# Altium PCB Universal_PCB.PcbDoc (part 2 of 3)
Units mm, origin at the board's own origin, x right, y up, seen from the top; angles counter-clockwise.
Board outline 200 x 105 mm, 2 copper layers (Top Layer, Bottom Layer), stack 1.57 mm thick; 323 components, 231 nets, 891 pads, 95 vias.
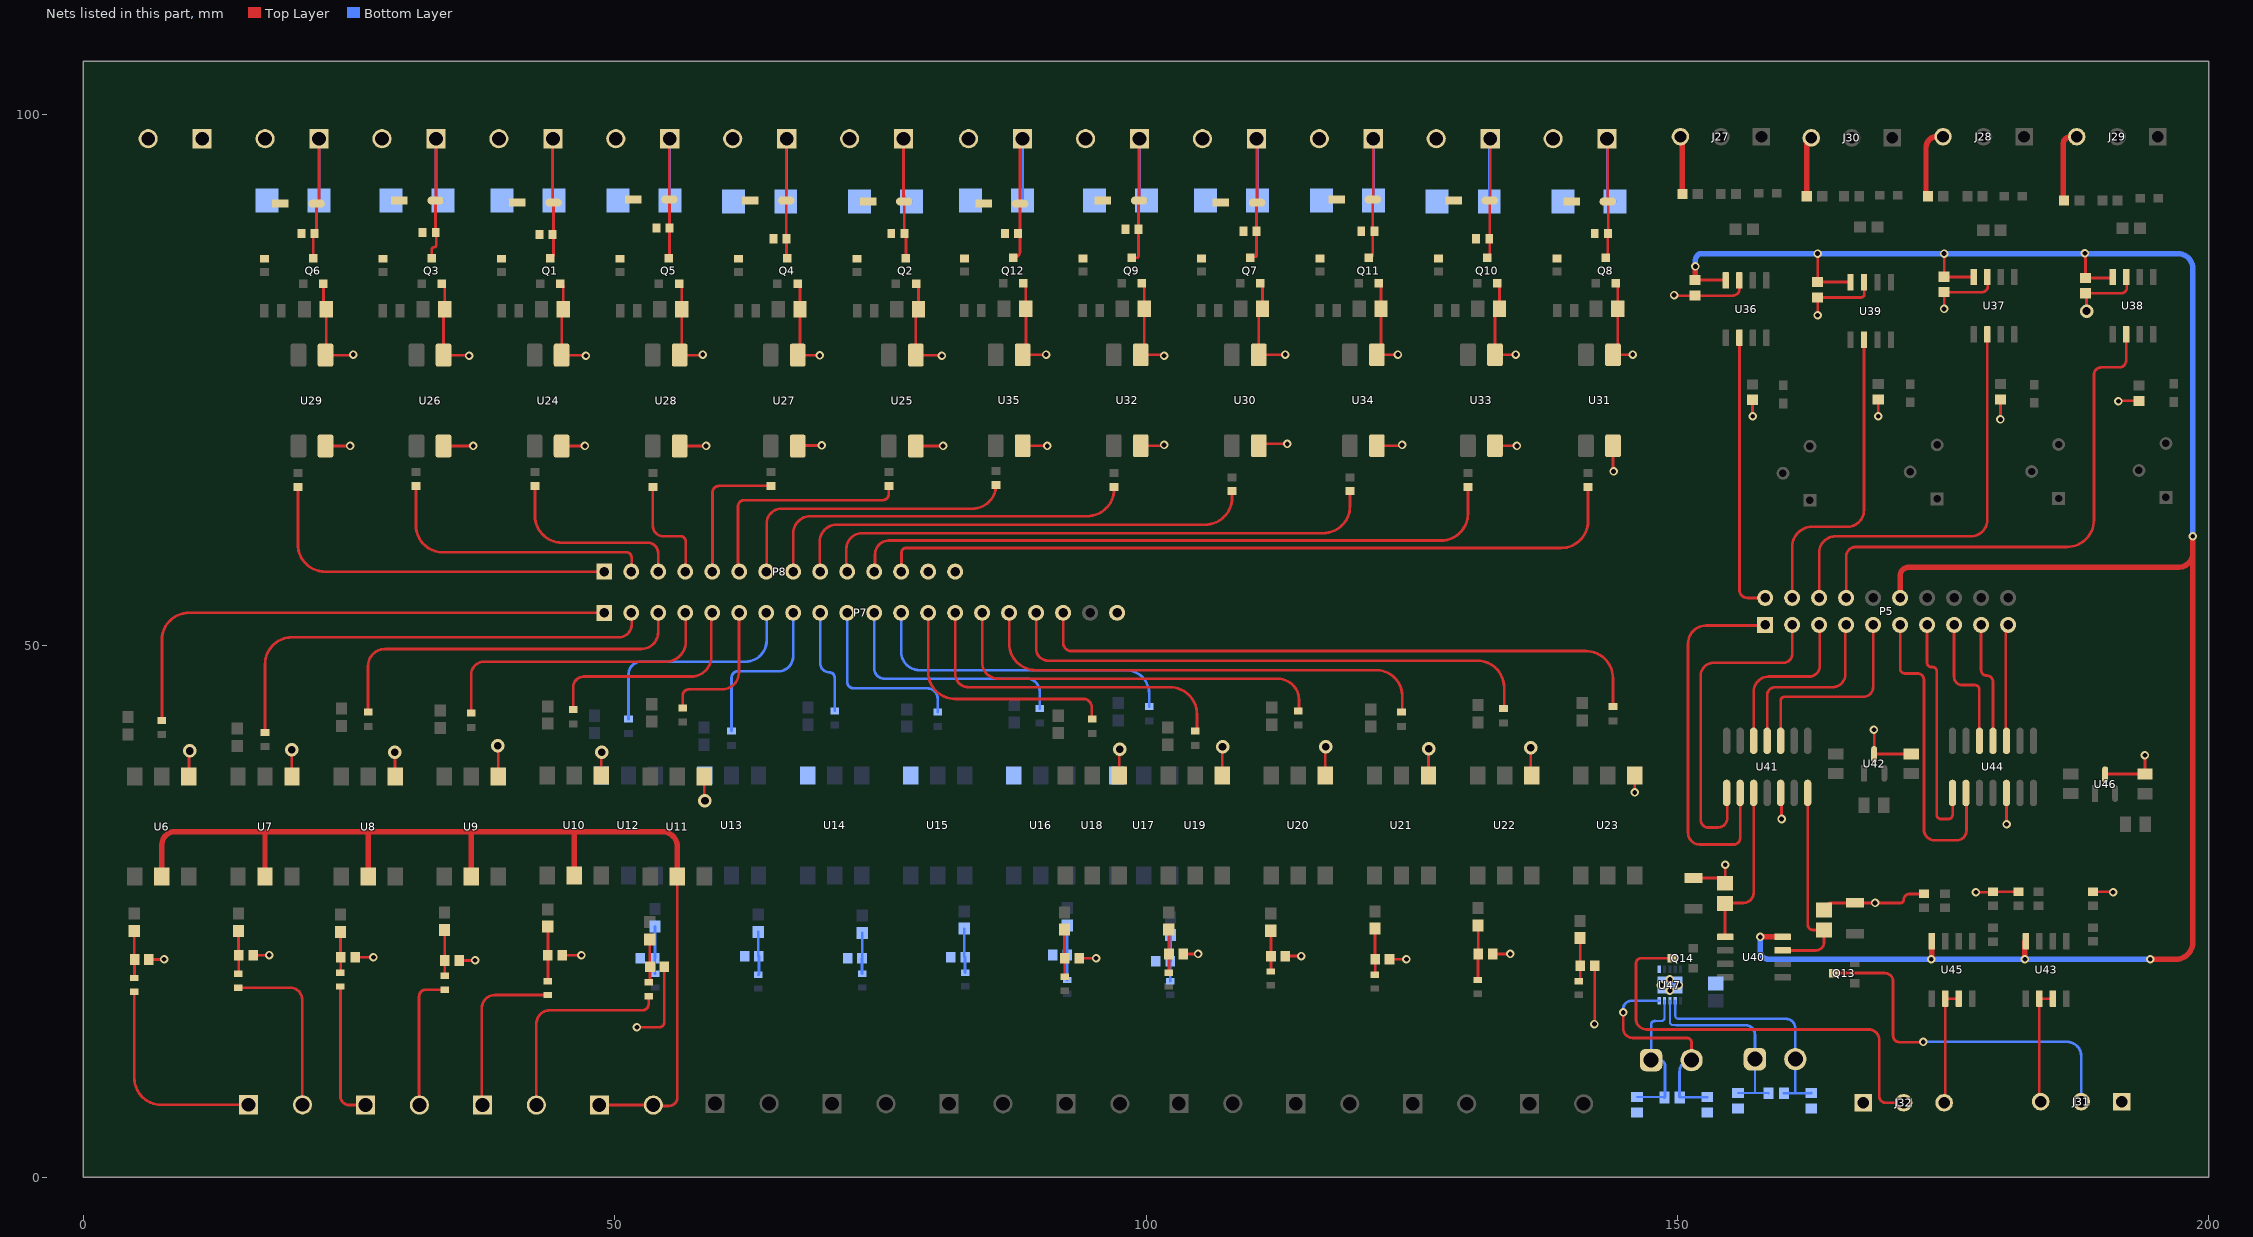
[diagram p2: the nets of this part, all layers, seen from the top]

## Via types
v1: diameter 0.8, hole 0.45, Top Layer to Bottom Layer, 83 vias
v2: diameter 1.27, hole 0.711, Top Layer to Bottom Layer, 12 vias

## Nets (pads, with @x,y where several pads share a name; then routed paths per layer and width w, separated by ;. In a path a pad name is that pad's centre, name@x,y a point inside that pad or via, vN(x,y) a via of type N, cw(c..) or ccw(c..) an arc to the next point about the centre after c; other vN are vias at no path point) (continued)
+24VDC: D9.1 D10.1 D13.1 D14.1 D17.1 D18.1 D21.1 D22.1 D25.1 D26.1 D29.1 D30.1 J14.2 J15.2 J16.2 J17.2 J18.2 J19.2 J20.2 J21.2 J22.2 J23.2 J24.2 J25.2 J26.2 P8.13 R91.2 R92.2 R93.2 R94.2 R101.2 R102.2 R103.2 R104.2 R111.2 R112.2 R113.2 R114.2 R121.2 R122.2 R123.2 R124.2 R131.2 R132.2 R133.2 R134.2 R141.2 R142.2 R143.2 R144.2
-5: C55.2 C56.2 C59.2 C60.2 P5.12 U36.4 U37.4 U38.4 U39.4 U40.4 U43.4 U45.4 | length 211.6
  Top Layer w0.254: C55.2@151.675,84.423 U36.4@154.57,84.423 ; v1(163.2,86.9) C60.2@163.2,84.225 U39.4@166.295,84.225 ; v1(175.1,86.9) C56.2@175.1,84.725 ccw(c175.125,84.725) 175.125,84.7 U37.4@177.895,84.7 ; v1(188.345,86.944) cw(c188.345,86.889) 188.4,86.889 C59.2@188.4,84.625 188.4,84.601 U38.4@190.958,84.601
  Top Layer w0.508: C55.2@151.675,84.4 ccw(c151.675,84.425) 151.7,84.423 ccw(c151.675,84.425) 151.7,84.425 v1(151.7,85.7) ; v1(157.8,22.6) 157.8,22.605 U40.4@159.9,22.605 ; P5.12@170.96,54.5 170.96,56.56 cw(c171.8,56.56) 171.8,57.4 197.2,57.4 ccw(c197.2,58.7) 198.5,58.7 ; v1(173.9,20.5) ccw(c173.9,20.54) 173.94,20.54 U45.4@173.94,22.2 ; v1(182.7,20.5) 182.7,22.105 cw(c182.795,22.105) U43.4@182.795,22.2 ; v1(194.5,20.5) 196.9,20.5 ccw(c196.9,22.1) 198.5,22.1 198.5,58.7 ; v1(198.5,60.3) 198.5,58.7
  Bottom Layer w0.508: v1(151.7,85.7) 151.7,86.3 cw(c152.3,86.3) 152.3,86.9 v1(163.2,86.9) v1(175.1,86.9) 197.1,86.9 cw(c197.1,85.5) 198.5,85.5 v1(198.5,60.3) ; v1(157.8,22.6) 157.8,21.3 ccw(c158.6,21.3) 158.6,20.5 v1(182.7,20.5) v1(194.5,20.5)
A_IOUT_CS: P5.9 U41.3 | length 19.1
  Top Layer w0.254: U41.3@159.72,41.05 159.72,44.82 cw(c160.1,44.82) 160.1,45.2 162.12,45.2 cw(c162.3,44.2) 162.48,45.2 167.5,45.2 ccw(c167.5,46.12) 168.42,46.12 P5.9@168.42,51.96
A_IOUT_LDAC: P5.3 U41.8 | length 31.9
  Top Layer w0.254: U41.8@154.64,36.15 cw(c154.64,36.09) 154.7,36.09 154.7,33.8 cw(c153.8,33.8) 153.8,32.9 152.9,32.9 cw(c152.9,33.6) 152.2,33.6 152.2,47.2 cw(c153.4,47.2) 153.4,48.4 160,48.4 ccw(c160,49.2) 160.8,49.2 P5.3@160.8,51.96
A_IOUT_MOSI: P5.5 U41.5 | length 16.1
  Top Layer w0.254: U41.5@157.18,41.05 157.18,45.68 cw(c158.6,45.68) 158.6,47.1 162.4,47.1 ccw(c162.4,48.1) 163.4,48.1 163.4,51.9 ccw(c163.34,51.9) P5.5@163.34,51.96
A_IOUT_SCLK: P5.7 U41.4 | length 17.5
  Top Layer w0.254: U41.4@158.45,41.05 158.45,45.35 cw(c159.2,45.35) 159.2,46.1 164.6,46.1 ccw(c164.6,47.3) 165.8,47.3 165.8,51.88 cw(c165.88,51.88) P5.7@165.88,51.96
A_IOUT_SHDN: P5.1 U41.9 | length 36.2
  Top Layer w0.254: U41.9@155.91,36.15 155.91,31.91 cw(c155.3,31.91) 155.3,31.3 152.1,31.3 cw(c152.1,32.4) 151,32.4 151,50.2 cw(c152.7,50.2) 152.7,51.9 158.2,51.9 ccw(c158.2,51.96) P5.1@158.26,51.96
A_VOUT_CS: P5.19 U44.3 | length 11.1
  Top Layer w0.254: U44.3@180.97,41.05 cw(c180.97,41.12) 180.9,41.12 180.9,51.74 cw(c181.12,51.74) P5.19@181.12,51.96
A_VOUT_LDAC: P5.13 U44.8 | length 22.4
  Top Layer w0.254: P5.13@173.5,51.96 173.5,48.4 ccw(c173.9,48.4) 173.9,48 174,48 cw(c174,47.6) 174.4,47.6 174.4,34.1 ccw(c174.8,34.1) 174.8,33.7 175.5,33.7 ccw(c175.5,34.1) 175.9,34.1 175.9,36.15 U44.8@175.89,36.15
A_VOUT_MOSI: P5.15 U44.5 | length 12.8
  Top Layer w0.254: P5.15@176.04,51.96 176.04,47.06 ccw(c176.8,47.06) 176.8,46.3 178,46.3 cw(c178,45.9) 178.4,45.9 178.4,41.08 ccw(c178.43,41.08) U44.5@178.43,41.05
A_VOUT_SCLK: P5.17 U44.4 | length 11.5
  Top Layer w0.254: P5.17@178.58,51.96 178.58,47.72 ccw(c179.1,47.72) 179.1,47.2 cw(c179.1,46.6) 179.7,46.6 U44.4@179.7,41.05
A_VOUT_SHDN: P5.11 U44.9 | length 29.7
  Top Layer w0.254: P5.11@170.96,51.96 170.96,47.84 ccw(c171.4,47.84) 171.4,47.4 172.6,47.4 cw(c172.6,46.8) 173.2,46.8 173.2,32.7 ccw(c174.2,32.7) 174.2,31.7 176.3,31.7 ccw(c176.3,32.6) 177.2,32.6 177.2,36.11 ccw(c177.16,36.11) U44.9@177.16,36.15
ANALOG_INPUT1: P5.2 U36.6 | length 26.6
  Top Layer w0.254: U36.6@155.84,78.975 155.84,55.26 ccw(c156.6,55.26) 156.6,54.5 P5.2@158.26,54.5
ANALOG_INPUT2: P5.4 U39.6 | length 29.6
  Top Layer w0.254: P5.4@160.8,54.5 160.8,59.3 cw(c162.7,59.3) 162.7,61.2 166,61.2 ccw(c166,62.765) 167.565,62.765 U39.6@167.565,78.8
ANALOG_INPUT3: P5.6 U37.6 | length 39.3
  Top Layer w0.254: P5.6@163.34,54.5 163.34,58.74 cw(c164.9,58.74) 164.9,60.3 177.6,60.3 ccw(c177.6,61.865) 179.165,61.865 U37.6@179.165,79.3
ANALOG_INPUT4: P5.8 U38.6 | length 49.1
  Top Layer w0.254: P5.8@165.88,54.5 165.88,58.38 cw(c166.8,58.38) 166.8,59.3 186.66,59.3 ccw(c186.66,61.84) 189.2,61.84 189.2,75.5 cw(c189.9,75.5) 189.9,76.2 191.6,76.2 ccw(c191.6,76.828) 192.228,76.828 U38.6@192.228,79.3
Analog_Ioutput1: J31.02 Q13.3 | length 34.3
  Top Layer w0.254: Q13.3@164.7,19.2 169.5,19.2 cw(c169.5,18.4) 170.3,18.4 170.3,13.3 ccw(c170.9,13.3) 170.9,12.7 173.111,12.7 ccw(c173.111,12.728) v1(173.139,12.728)
  Bottom Layer w0.254: v1(173.139,12.728) 186.672,12.728 cw(c186.672,11.4) 188,11.4 J31.02@188,7.1
Analog_Ioutput2: J32.02 Q14.3 | length 40.9
  Top Layer w0.254: Q14.3@149.5,20.6 146.6,20.6 ccw(c146.6,20.1) 146.1,20.1 146.1,14.9 ccw(c147.1,14.9) 147.1,13.9 168,13.9 cw(c168,12.9) 169,12.9 169,7.6 ccw(c169.6,7.6) 169.6,7 J32.02@171.3,7
Analog_Voutput1: J31.03 U43.6 U43.7 | length 11
  Top Layer w0.254: J31.03@184.19,7.1 184.065,7.225 184.065,16.783 U43.7@185.335,16.783
Analog_Voutput2: J32.03 U45.6 U45.7 | length 11.1
  Top Layer w0.254: J32.03@175.11,7 175.21,7.1 175.21,16.783 U45.7@176.48,16.783
DIGITAL_INPUT1: P7.1 R22.2 | length 151.9
  Top Layer w0.254: R22.2@7.4,42.985 7.4,50.56 ; R22.2@7.4,42.985 7.4,50.56 ; R22.2@7.4,42.985 7.4,50.56 ; 7.4,50.56 cw(c9.94,50.56) 9.94,53.1 ; 7.4,50.56 cw(c9.94,50.56) 9.94,53.1 ; 7.4,50.56 cw(c9.94,50.56) 9.94,53.1 ; 9.94,53.1 P7.1@49.02,53.1 ; 9.94,53.1 P7.1@49.02,53.1 ; 9.94,53.1 P7.1@49.02,53.1
DIGITAL_INPUT2: P7.2 R26.2 | length 130.2
  Top Layer w0.254: P7.2@51.56,53.1 cw(c51.56,53.06) 51.6,53.06 51.6,52 ; R26.2@17.1,41.861 17.1,48.26 ; R26.2@17.1,41.861 17.1,48.26 ; R26.2@17.1,41.861 17.1,48.26 ; 17.1,48.26 cw(c19.64,48.26) 19.64,50.8 ; 17.1,48.26 cw(c19.64,48.26) 19.64,50.8 ; 17.1,48.26 cw(c19.64,48.26) 19.64,50.8 ; 19.64,50.8 50.4,50.8 ; 19.64,50.8 50.4,50.8 ; 19.64,50.8 50.4,50.8 ; 50.4,50.8 ccw(c50.4,52) 51.6,52 ; 50.4,50.8 ccw(c50.4,52) 51.6,52 ; 50.4,50.8 ccw(c50.4,52) 51.6,52
DIGITAL_INPUT3: P7.3 R30.2 | length 102.2
  Top Layer w0.254: P7.3@54.1,53.1 54.1,51.3 ; R30.2@26.8,43.761 26.8,48.1 ; R30.2@26.8,43.761 26.8,48.1 ; R30.2@26.8,43.761 26.8,48.1 ; 26.8,48.1 cw(c28.4,48.1) 28.4,49.7 ; 26.8,48.1 cw(c28.4,48.1) 28.4,49.7 ; 26.8,48.1 cw(c28.4,48.1) 28.4,49.7 ; 28.4,49.7 52.5,49.7 ; 28.4,49.7 52.5,49.7 ; 28.4,49.7 52.5,49.7 ; 52.5,49.7 ccw(c52.5,51.3) 54.1,51.3 ; 52.5,49.7 ccw(c52.5,51.3) 54.1,51.3 ; 52.5,49.7 ccw(c52.5,51.3) 54.1,51.3
DIGITAL_INPUT4: P7.4 R34.2 | length 85
  Top Layer w0.254: R34.2@36.5,43.661 36.5,47.3 ; R34.2@36.5,43.661 36.5,47.3 ; R34.2@36.5,43.661 36.5,47.3 ; 36.5,47.3 cw(c37.7,47.3) 37.7,48.5 ; 36.5,47.3 cw(c37.7,47.3) 37.7,48.5 ; 36.5,47.3 cw(c37.7,47.3) 37.7,48.5 ; 37.7,48.5 54.8,48.5 ; 37.7,48.5 54.8,48.5 ; 37.7,48.5 54.8,48.5 ; 54.8,48.5 ccw(c54.8,50.4) 56.7,50.4 ; 54.8,48.5 ccw(c54.8,50.4) 56.7,50.4 ; 54.8,48.5 ccw(c54.8,50.4) 56.7,50.4 ; P7.4@56.64,53.1 cw(c56.64,53.04) P7.4@56.7,53.04 ; P7.4@56.64,53.1 cw(c56.64,53.04) P7.4@56.7,53.04 ; P7.4@56.64,53.1 cw(c56.64,53.04) P7.4@56.7,53.04 ; 56.7,50.4 P7.4@56.7,53.04 ; 56.7,50.4 P7.4@56.7,53.04 ; 56.7,50.4 P7.4@56.7,53.04
DIGITAL_INPUT5: P7.5 R38.2 | length 47.1
  Top Layer w0.254: R38.2@46.1,43.985 46.1,46.1 cw(c47.1,46.1) 47.1,47.1 ; P7.5@59.18,53.1 ccw(c59.18,53.02) 59.1,53.02 59.1,49 ; 47.1,47.1 57.2,47.1 ; 47.1,47.1 57.2,47.1 ; 47.1,47.1 57.2,47.1 ; 57.2,47.1 ccw(c57.2,49) 59.1,49 ; 57.2,47.1 ccw(c57.2,49) 59.1,49 ; 57.2,47.1 ccw(c57.2,49) 59.1,49
DIGITAL_INPUT6: P7.6 R42.2 | length 35.7
  Top Layer w0.254: R42.2@56.4,44.161 56.4,45.3 cw(c57,45.3) 57,45.9 ; P7.6@61.72,53.1 ccw(c61.72,53.08) P7.6@61.7,53.08 ; 57,45.9 60.1,45.9 ; 57,45.9 60.1,45.9 ; 57,45.9 60.1,45.9 ; 60.1,45.9 ccw(c60.1,47.5) 61.7,47.5 ; 60.1,45.9 ccw(c60.1,47.5) 61.7,47.5 ; 60.1,45.9 ccw(c60.1,47.5) 61.7,47.5 ; 61.7,47.5 P7.6@61.7,53.08 ; 61.7,47.5 P7.6@61.7,53.08 ; 61.7,47.5 P7.6@61.7,53.08
DIGITAL_INPUT7: P7.7 R46.2 | length 59.7
  Bottom Layer w0.254: P7.7@64.26,53.1 cw(c64.26,53.06) 64.3,53.06 64.3,50.5 ; R46.2@51.3,43.1 51.3,47.3 ; R46.2@51.3,43.1 51.3,47.3 ; R46.2@51.3,43.1 51.3,47.3 ; 51.3,47.3 cw(c52.5,47.3) 52.5,48.5 ; 51.3,47.3 cw(c52.5,47.3) 52.5,48.5 ; 51.3,47.3 cw(c52.5,47.3) 52.5,48.5 ; 52.5,48.5 62.3,48.5 ; 52.5,48.5 62.3,48.5 ; 52.5,48.5 62.3,48.5 ; 62.3,48.5 ccw(c62.3,50.5) 64.3,50.5 ; 62.3,48.5 ccw(c62.3,50.5) 64.3,50.5 ; 62.3,48.5 ccw(c62.3,50.5) 64.3,50.5
DIGITAL_INPUT8: P7.8 R50.2 | length 35.6
  Bottom Layer w0.254: P7.8@66.8,53.1 66.8,49 cw(c65.4,49) 65.4,47.6 ; R50.2@61,41.977 61,47 ; R50.2@61,41.977 61,47 ; R50.2@61,41.977 61,47 ; 61,47 cw(c61.6,47) 61.6,47.6 ; 61,47 cw(c61.6,47) 61.6,47.6 ; 61,47 cw(c61.6,47) 61.6,47.6 ; 61.6,47.6 65.4,47.6 ; 61.6,47.6 65.4,47.6 ; 61.6,47.6 65.4,47.6
DIGITAL_INPUT9: P7.9 R54.2 | length 14.3
  Bottom Layer w0.254: P7.9@69.34,53.1 69.34,48.36 ; R54.2@70.7,43.877 70.7,47 ; 69.34,48.36 ccw(c70.2,48.36) 70.2,47.5 ; 69.34,48.36 ccw(c70.2,48.36) 70.2,47.5 ; 69.34,48.36 ccw(c70.2,48.36) 70.2,47.5 ; 70.2,47.5 cw(c70.2,47) 70.7,47 ; 70.2,47.5 cw(c70.2,47) 70.7,47 ; 70.2,47.5 cw(c70.2,47) 70.7,47
DIGITAL_INPUT10: P7.10 R58.2 | length 34.1
  Bottom Layer w0.254: P7.10@71.88,53.1 71.88,46.62 ccw(c72.5,46.62) 72.5,46 ; R58.2@80.4,43.777 80.4,45 ; 72.5,46 79.4,46 ; 72.5,46 79.4,46 ; 72.5,46 79.4,46 ; 79.4,46 cw(c79.4,45) 80.4,45 ; 79.4,46 cw(c79.4,45) 80.4,45 ; 79.4,46 cw(c79.4,45) 80.4,45
DIGITAL_INPUT11: P7.11 R62.2 | length 53.5
  Bottom Layer w0.254: P7.11@74.42,53.1 74.42,47.88 ; R62.2@90,44.1 90,45.7 ccw(c88.8,45.7) 88.8,46.9 ; 74.42,47.88 ccw(c75.4,47.88) 75.4,46.9 ; 74.42,47.88 ccw(c75.4,47.88) 75.4,46.9 ; 74.42,47.88 ccw(c75.4,47.88) 75.4,46.9 ; 75.4,46.9 88.8,46.9 ; 75.4,46.9 88.8,46.9 ; 75.4,46.9 88.8,46.9
DIGITAL_INPUT12: P7.12 R66.2 | length 74.7
  Bottom Layer w0.254: P7.12@76.96,53.1 76.96,49.44 ; R66.2@100.3,44.277 100.3,45.5 ccw(c98.1,45.5) 98.1,47.7 ; 76.96,49.44 ccw(c78.7,49.44) 78.7,47.7 ; 76.96,49.44 ccw(c78.7,49.44) 78.7,47.7 ; 76.96,49.44 ccw(c78.7,49.44) 78.7,47.7 ; 78.7,47.7 98.1,47.7 ; 78.7,47.7 98.1,47.7 ; 78.7,47.7 98.1,47.7
DIGITAL_INPUT13: P7.13 R70.2 | length 50.6
  Top Layer w0.254: P7.13@79.5,53.1 79.5,47.54 ccw(c82.04,47.54) 82.04,45 ; R70.2@94.94,43.1 cw(c94.94,43.14) 94.9,43.14 94.9,44.2 ; 82.04,45 94.1,45 ; 82.04,45 94.1,45 ; 82.04,45 94.1,45 ; 94.1,45 cw(c94.1,44.2) 94.9,44.2 ; 94.1,45 cw(c94.1,44.2) 94.9,44.2 ; 94.1,45 cw(c94.1,44.2) 94.9,44.2
DIGITAL_INPUT14: P7.14 R74.2 | length 74.2
  Top Layer w0.254: P7.14@82.04,53.1 82.04,47.36 ; R74.2@104.64,41.977 ccw(c104.64,42.137) 104.8,42.137 104.8,43.56 ccw(c102.26,43.56) 102.26,46.1 ; 82.04,47.36 ccw(c83.3,47.36) 83.3,46.1 ; 82.04,47.36 ccw(c83.3,47.36) 83.3,46.1 ; 82.04,47.36 ccw(c83.3,47.36) 83.3,46.1 ; 83.3,46.1 102.26,46.1 ; 83.3,46.1 102.26,46.1 ; 83.3,46.1 102.26,46.1
DIGITAL_INPUT15: P7.15 R78.2 | length 94.9
  Top Layer w0.254: P7.15@84.58,53.1 84.58,48.42 ; R78.2@114.34,43.877 ccw(c114.34,43.937) 114.4,43.937 114.4,44.9 ccw(c112.4,44.9) 112.4,46.9 ; 84.58,48.42 ccw(c86.1,48.42) 86.1,46.9 ; 84.58,48.42 ccw(c86.1,48.42) 86.1,46.9 ; 84.58,48.42 ccw(c86.1,48.42) 86.1,46.9 ; 86.1,46.9 112.4,46.9 ; 86.1,46.9 112.4,46.9 ; 86.1,46.9 112.4,46.9
DIGITAL_INPUT16: P7.16 R82.2 | length 116.3
  Top Layer w0.254: P7.16@87.12,53.1 87.12,50.24 ; R82.2@124.04,43.777 ccw(c124.04,43.837) 124.1,43.837 124.1,45.3 ccw(c121.7,45.3) 121.7,47.7 ; 87.12,50.24 ccw(c89.66,50.24) 89.66,47.7 ; 87.12,50.24 ccw(c89.66,50.24) 89.66,47.7 ; 87.12,50.24 ccw(c89.66,50.24) 89.66,47.7 ; 89.66,47.7 121.7,47.7 ; 89.66,47.7 121.7,47.7 ; 89.66,47.7 121.7,47.7
DIGITAL_INPUT17: P7.17 R86.2 | length 144.2
  Top Layer w0.254: P7.17@89.66,53.1 89.66,49.74 ccw(c90.8,49.74) 90.8,48.6 ; 90.8,48.6 131.16,48.6 ; 90.8,48.6 131.16,48.6 ; 90.8,48.6 131.16,48.6 ; 131.16,48.6 cw(c131.16,46.06) 133.7,46.06 ; 131.16,48.6 cw(c131.16,46.06) 133.7,46.06 ; 131.16,48.6 cw(c131.16,46.06) 133.7,46.06 ; R86.2@133.64,44.1 ccw(c133.64,44.16) R86.2@133.7,44.16 ; R86.2@133.64,44.1 ccw(c133.64,44.16) R86.2@133.7,44.16 ; R86.2@133.64,44.1 ccw(c133.64,44.16) R86.2@133.7,44.16 ; R86.2@133.7,44.16 133.7,46.06 ; R86.2@133.7,44.16 133.7,46.06 ; R86.2@133.7,44.16 133.7,46.06
DIGITAL_INPUT18: P7.18 R90.2 | length 59.1
  Top Layer w0.254: P7.18@92.2,53.1 92.2,50.3 ccw(c93,50.3) 93,49.5 141.4,49.5 cw(c141.4,46.96) 143.94,46.96 R90.2@143.94,44.277
DIGITAL_OUTPUT1: P8.6 R97.1 | length 63.6
  Top Layer w0.254: P8.6@61.72,56.979 cw(c61.72,57.099) P8.6@61.6,57.099 ; R97.1@75.8,65.05 75.8,64.3 ; P8.6@61.6,57.1 61.6,63.1 ; P8.6@61.6,57.1 61.6,63.1 ; P8.6@61.6,57.1 61.6,63.1 ; 61.6,63.1 cw(c62.2,63.1) 62.2,63.7 ; 61.6,63.1 cw(c62.2,63.1) 62.2,63.7 ; 61.6,63.1 cw(c62.2,63.1) 62.2,63.7 ; 62.2,63.7 75.2,63.7 ; 62.2,63.7 75.2,63.7 ; 62.2,63.7 75.2,63.7 ; 75.2,63.7 ccw(c75.2,64.3) 75.8,64.3 ; 75.2,63.7 ccw(c75.2,64.3) 75.8,64.3 ; 75.2,63.7 ccw(c75.2,64.3) 75.8,64.3
DIGITAL_OUTPUT2: P8.5 R107.1 | length 30.1
  Top Layer w0.254: P8.5@59.18,56.979 ccw(c59.18,56.999) P8.5@59.2,56.999 ; R107.1@64.7,65.05 59.85,65.05 ; P8.5@59.2,56.999 59.2,64.4 ; P8.5@59.2,56.999 59.2,64.4 ; P8.5@59.2,56.999 59.2,64.4 ; 59.2,64.4 cw(c59.85,64.4) 59.85,65.05 ; 59.2,64.4 cw(c59.85,64.4) 59.85,65.05 ; 59.2,64.4 cw(c59.85,64.4) 59.85,65.05
DIGITAL_OUTPUT3: P8.4 R115.1 | length 20.9
  Top Layer w0.254: P8.4@56.64,56.979 ccw(c56.64,57.039) 56.7,57.039 56.7,59.8 ccw(c56.2,59.8) 56.2,60.3 54.6,60.3 ; 53.6,61.3 ccw(c54.6,61.3) 54.6,60.3 ; 53.6,61.3 ccw(c54.6,61.3) 54.6,60.3 ; 53.6,61.3 ccw(c54.6,61.3) 54.6,60.3 ; 53.6,61.3 R115.1@53.6,64.95 ; 53.6,61.3 R115.1@53.6,64.95 ; 53.6,61.3 R115.1@53.6,64.95
DIGITAL_OUTPUT4: P8.3 R95.1 | length 54.5
  Top Layer w0.254: 42.5,62.24 ccw(c45.04,62.24) 45.04,59.7 ; 42.5,62.24 ccw(c45.04,62.24) 45.04,59.7 ; 42.5,62.24 ccw(c45.04,62.24) 45.04,59.7 ; 42.5,62.24 R95.1@42.5,65.05 ; 42.5,62.24 R95.1@42.5,65.05 ; 42.5,62.24 R95.1@42.5,65.05 ; 45.04,59.7 53.1,59.7 ; 45.04,59.7 53.1,59.7 ; 45.04,59.7 53.1,59.7 ; 53.1,59.7 cw(c53.1,58.7) 54.1,58.7 ; 53.1,59.7 cw(c53.1,58.7) 54.1,58.7 ; 53.1,59.7 cw(c53.1,58.7) 54.1,58.7 ; P8.3@54.1,56.979 54.1,58.7 ; P8.3@54.1,56.979 54.1,58.7 ; P8.3@54.1,56.979 54.1,58.7
DIGITAL_OUTPUT5: P8.2 R105.1 | length 69.6
  Top Layer w0.254: R105.1@31.3,65.05 31.3,61.34 ; P8.2@51.56,56.979 ccw(c51.56,57.019) 51.6,57.019 51.6,58.3 ccw(c51.1,58.3) 51.1,58.8 ; 31.3,61.34 ccw(c33.84,61.34) 33.84,58.8 ; 31.3,61.34 ccw(c33.84,61.34) 33.84,58.8 ; 31.3,61.34 ccw(c33.84,61.34) 33.84,58.8 ; 33.84,58.8 51.1,58.8 ; 33.84,58.8 51.1,58.8 ; 33.84,58.8 51.1,58.8
DIGITAL_OUTPUT6: P8.1 R117.1 | length 96.2
  Top Layer w0.254: R117.1@20.2,64.95 20.2,59.519 ; 20.2,59.519 ccw(c22.74,59.519) 22.74,56.979 ; 20.2,59.519 ccw(c22.74,59.519) 22.74,56.979 ; 20.2,59.519 ccw(c22.74,59.519) 22.74,56.979 ; 22.74,56.979 P8.1@49.02,56.979 ; 22.74,56.979 P8.1@49.02,56.979 ; 22.74,56.979 P8.1@49.02,56.979
DIGITAL_OUTPUT7: P8.9 R125.1 | length 133.7
  Top Layer w0.254: P8.9@69.34,56.979 cw(c69.34,57.019) P8.9@69.3,57.019 ; P8.9@69.3,57.019 69.3,59.8 ; P8.9@69.3,57.019 69.3,59.8 ; P8.9@69.3,57.019 69.3,59.8 ; 69.3,59.8 cw(c70.9,59.8) 70.9,61.4 ; 69.3,59.8 cw(c70.9,59.8) 70.9,61.4 ; 69.3,59.8 cw(c70.9,59.8) 70.9,61.4 ; 70.9,61.4 105.56,61.4 ; 70.9,61.4 105.56,61.4 ; 70.9,61.4 105.56,61.4 ; 105.56,61.4 ccw(c105.56,63.94) 108.1,63.94 ; 105.56,61.4 ccw(c105.56,63.94) 108.1,63.94 ; 105.56,61.4 ccw(c105.56,63.94) 108.1,63.94 ; 108.1,63.94 R125.1@108.1,64.55 ; 108.1,63.94 R125.1@108.1,64.55 ; 108.1,63.94 R125.1@108.1,64.55
DIGITAL_OUTPUT8: P8.8 R135.1 | length 96.8
  Top Layer w0.254: P8.8@66.8,56.979 66.8,60.556 cw(c68.444,60.556) 68.444,62.2 ; 68.444,62.2 94.46,62.2 ; 68.444,62.2 94.46,62.2 ; 68.444,62.2 94.46,62.2 ; 94.46,62.2 ccw(c94.46,64.74) R135.1@97,64.74 ; 94.46,62.2 ccw(c94.46,64.74) R135.1@97,64.74 ; 94.46,62.2 ccw(c94.46,64.74) R135.1@97,64.74 ; R135.1@97,64.74 R135.1@97,64.95 ; R135.1@97,64.74 R135.1@97,64.95 ; R135.1@97,64.74 R135.1@97,64.95
DIGITAL_OUTPUT9: P8.10 R145.1 | length 150.8
  Top Layer w0.254: P8.10@71.88,56.979 cw(c71.88,57.059) 71.8,57.059 71.8,59.1 cw(c73.3,59.1) 73.3,60.6 ; 73.3,60.6 116.66,60.6 ; 73.3,60.6 116.66,60.6 ; 73.3,60.6 116.66,60.6 ; 116.66,60.6 ccw(c116.66,63.14) 119.2,63.14 ; 116.66,60.6 ccw(c116.66,63.14) 119.2,63.14 ; 116.66,60.6 ccw(c116.66,63.14) 119.2,63.14 ; 119.2,63.14 R145.1@119.2,64.55 ; 119.2,63.14 R145.1@119.2,64.55 ; 119.2,63.14 R145.1@119.2,64.55
DIGITAL_OUTPUT10: P8.12 R127.1 | length 209.1
  Top Layer w0.254: P8.12@76.96,56.979 ccw(c76.96,57.019) 77,57.019 77,58.8 cw(c77.4,58.8) 77.4,59.2 ; 77.4,59.2 139.06,59.2 ; 77.4,59.2 139.06,59.2 ; 77.4,59.2 139.06,59.2 ; 139.06,59.2 ccw(c139.06,61.74) 141.6,61.74 ; 139.06,59.2 ccw(c139.06,61.74) 141.6,61.74 ; 139.06,59.2 ccw(c139.06,61.74) 141.6,61.74 ; 141.6,61.74 R127.1@141.6,64.95 ; 141.6,61.74 R127.1@141.6,64.95 ; 141.6,61.74 R127.1@141.6,64.95
DIGITAL_OUTPUT11: P8.11 R137.1 | length 173.3
  Top Layer w0.254: P8.11@74.42,56.979 ccw(c74.42,57.059) P8.11@74.5,57.059 ; R137.1@130.3,64.95 130.3,62.44 cw(c127.76,62.44) 127.76,59.9 ; P8.11@74.5,57.059 74.5,58.6 ; P8.11@74.5,57.059 74.5,58.6 ; P8.11@74.5,57.059 74.5,58.6 ; 74.5,58.6 cw(c75.8,58.6) 75.8,59.9 ; 74.5,58.6 cw(c75.8,58.6) 75.8,59.9 ; 74.5,58.6 cw(c75.8,58.6) 75.8,59.9 ; 75.8,59.9 127.76,59.9 ; 75.8,59.9 127.76,59.9 ; 75.8,59.9 127.76,59.9
DIGITAL_OUTPUT12: P8.7 R147.1 | length 84.6
  Top Layer w0.254: P8.7@64.26,56.979 ccw(c64.26,57.019) P8.7@64.3,57.019 ; P8.7@64.3,57.019 64.3,61.5 ; P8.7@64.3,57.019 64.3,61.5 ; P8.7@64.3,57.019 64.3,61.5 ; 64.3,61.5 cw(c65.7,61.5) 65.7,62.9 ; 64.3,61.5 cw(c65.7,61.5) 65.7,62.9 ; 64.3,61.5 cw(c65.7,61.5) 65.7,62.9 ; 65.7,62.9 83.65,62.9 ; 65.7,62.9 83.65,62.9 ; 65.7,62.9 83.65,62.9 ; 83.65,62.9 ccw(c83.65,65.15) R147.1@85.9,65.15 ; 83.65,62.9 ccw(c83.65,65.15) R147.1@85.9,65.15 ; 83.65,62.9 ccw(c83.65,65.15) R147.1@85.9,65.15
GND: C37.1 C38.1 C39.1 C40.1 C41.1 C42.1 C43.1 C44.1 C45.1 C46.1 C47.1 C48.1 C49.1 C50.1 C51.1 C52.1 C53.1 C54.1 C55.1 C56.1 C57.1 C58.1 C59.1 C60.1 C61.1 C62.1 C63.1 C64.1 C66.1 C67.1 C68.2 C70.1 C71.1 D11.2 D12.2 D15.2 D16.2 D19.2 D20.2 D23.2 D24.2 D27.2 D28.2 D31.2 D32.2 J20.1 J27.03 J28.03 J29.03 J30.03 J31.01 J32.01 P7.20 P8.14 Q1.2 Q2.2 Q3.2 Q4.2 Q5.2 Q6.2 Q7.2 Q8.2 Q9.2 Q10.2 Q11.2 Q12.2 R99.1 R100.1 R109.1 R110.1 R119.1 R120.1 R129.1 R130.1 R139.1 R140.1 R149.1 R150.1 R161.2 R162.2 R173.2 R174.2 R175.1 R176.1 R179.1 R182.1 R183.1 R186.1 R187.1 R190.1 U6.4 U7.4 U8.4 U9.4 U10.4 U11.4 U12.4 U13.4 U14.4 U15.4 U16.4 U17.4 U18.4 U19.4 U20.4 U21.4 U22.4 U23.4 U24.2 U24.3 U25.2 U25.3 U26.2 U26.3 U27.2 U27.3 U28.2 U28.3 U29.2 U29.3 U30.2 U30.3 U31.2 U31.3 U32.2 U32.3 U33.2 U33.3 U34.2 U34.3 U35.2 U35.3 U36.3 U37.3 U38.3 U39.3 U41.12 U42.3 U44.12 U46.3 U47.6 U47.11 | length 299.1